# Altium PCB RFSoC-AMC.PcbDoc (part 4 of 12) (continued)
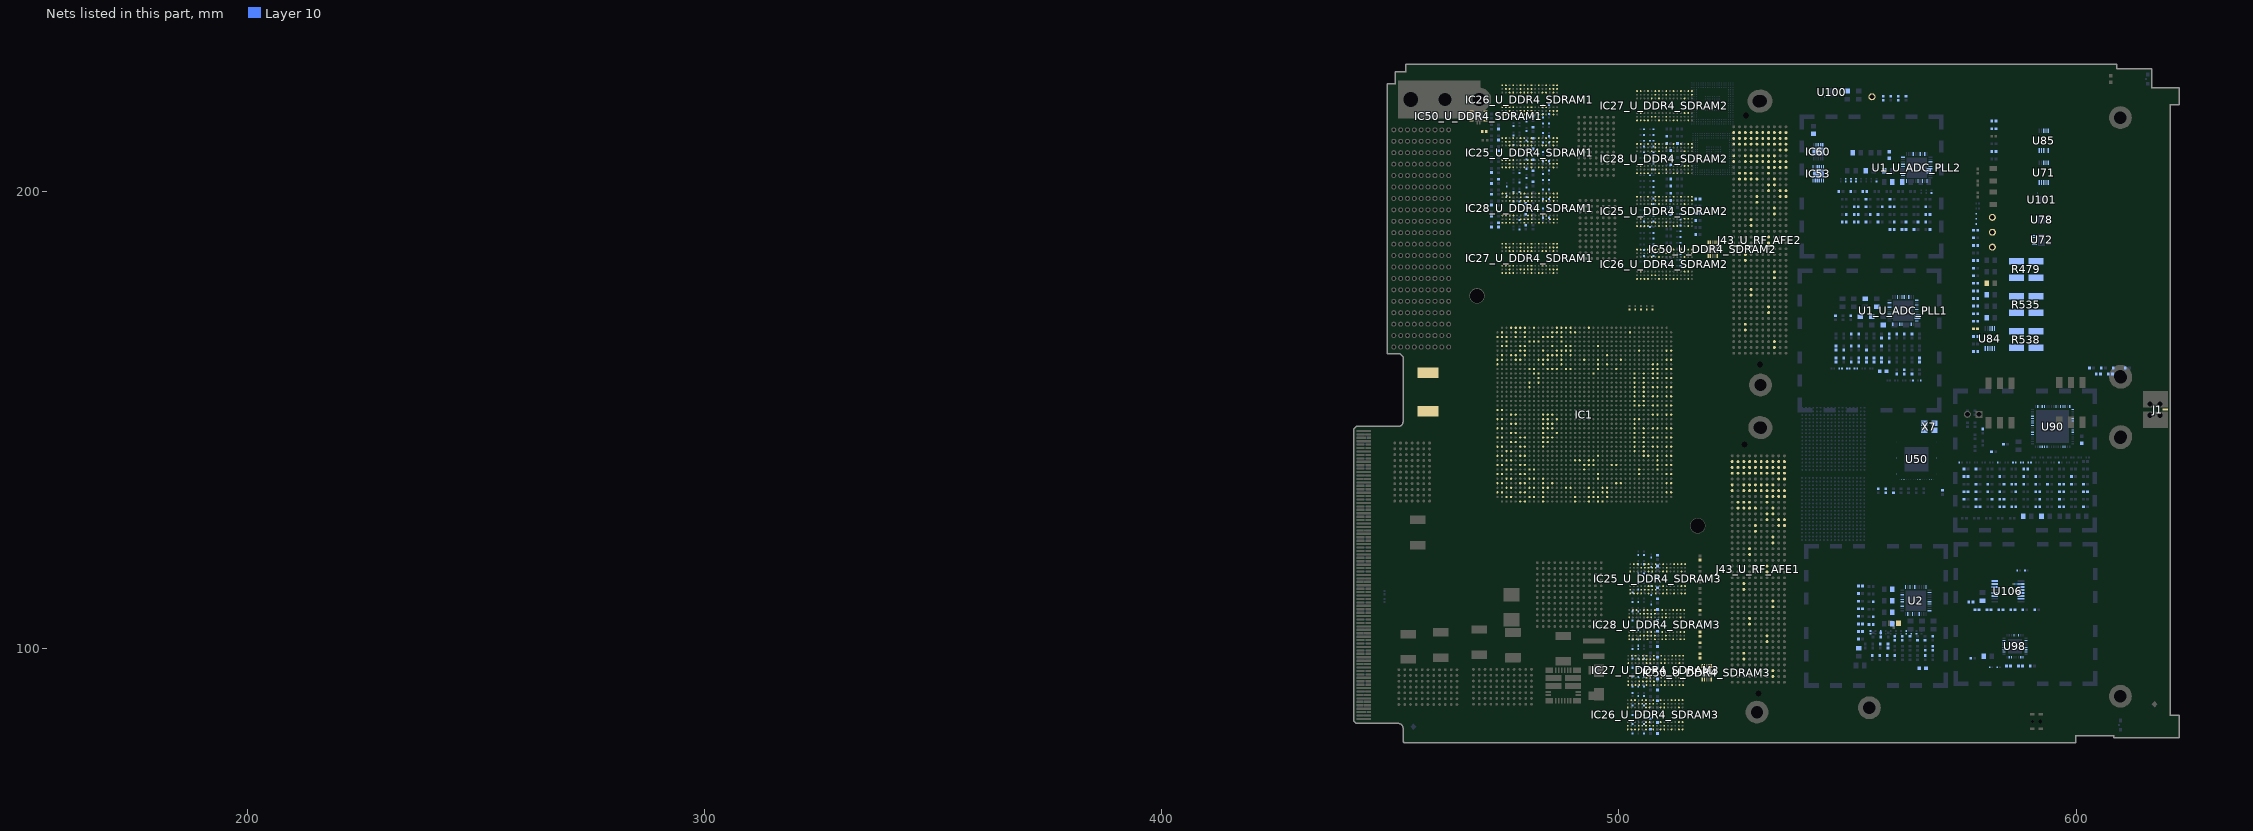
[diagram p12: the nets of this part, all layers, seen from the top]
## Part data (continued)
  R409: Barcode=200189, Datasheet=\\XSJ-SMB\AFX\AFX\BOARD_PROJECTS\LIBRARY\\DATASHEETS\RESISTOR\PANA_ERJ_1%.PDF, Device=475_0402, MANF=PANASONIC, MANF_P/N=ERJ-2RKF4750X, OWNER=14196, PRICE=0, primarykey=368
  R472 R474: Barcode=200336, Datasheet=\\XSJ-SMB\AFX\AFX\BOARD_PROJECTS\LIBRARY\\DATASHEETS\RESISTOR\PANA_ERJ_1%.PDF, Device=11_3K_0402, MANF=PANASONIC, MANF_P/N=ERJ-2RKF1132X, OWNER=6176, PRICE=0, primarykey=231
  R473 R475: Barcode=200431, Datasheet=\\XSJ-SMB\AFX\AFX\BOARD_PROJECTS\LIBRARY\\DATASHEETS\RESISTOR\PANA_ERJ_1%.PDF, Device=13_3K_0402, MANF=PANASONIC, MANF_P/N=ERJ-2RKF1332X, OWNER=3709, PRICE=0, primarykey=435
  R477 R478 R533 R534 R536 R537 R658: Barcode=200028, Datasheet=\\XSJ-SMB\AFX\AFX\BOARD_PROJECTS\LIBRARY\\DATASHEETS\RESISTOR\AOA0000PE2.PDF, Device=10_0402, MANF=PANASONIC, MANF_P/N=ERJ-2RKF10R0X, OWNER=10460, PRICE=0, primarykey=97
  R545 R565_U_ADC_PLL1 R565_U_ADC_PLL2 R652: Barcode=200344, Datasheet=\\XSJ-SMB\AFX\AFX\BOARD_PROJECTS\LIBRARY\\DATASHEETS\RESISTOR\PANA_ERJ_1%.PDF, Device=333_0402, MANF=PANASONIC, MANF_P/N=ERJ-2RKF3300X, OWNER=6176, PRICE=0.06, primarykey=351
  R560_U_ADC_PLL1 R560_U_ADC_PLL2 R582: Datasheet=\\XSJ-SMB\AFX\AFX\BOARD_PROJECTS\LIBRARY\\DATASHEETS\RESISTOR\PANA_ERJ_1%.PDF, Device=18_0402, MANF=PANASONIC, MANF_P/N=ERJ-2RKF18R0X, OWNER=3709, PRICE=0, primarykey=467
  R562_U_ADC_PLL1 R562_U_ADC_PLL2 R583: Barcode=200325, Datasheet=\\XSJ-SMB\AFX\AFX\BOARD_PROJECTS\LIBRARY\\DATASHEETS\RESISTOR\PANA_ERJ_1%.PDF, Device=68_1_0402, MANF=PANASONIC, MANF_P/N=ERJ-2RKF68R1X, OWNER=3709, PRICE=0, primarykey=221
  R563_U_ADC_PLL1 R563_U_ADC_PLL2 R584: Barcode=200025, Datasheet=\\XSJ-SMB\AFX\AFX\BOARD_PROJECTS\LIBRARY\\DATASHEETS\RESISTOR\AOA0000CE2.PDF, Device=10_0K_0402, MANF=PANASONIC, MANF_P/N=ERJ-2RKF1002X, OWNER=4001, PRICE=0, primarykey=1
  R621 R622 R636: Barcode=200113, Datasheet=\\XSJ-SMB\AFX\AFX\BOARD_PROJECTS\LIBRARY\\DATASHEETS\RESISTOR\PANA_ERJ_1%.PDF, Device=43_0_0402, MANF=PANASONIC, MANF_P/N=ERJ-2RKF43R0X, OWNER=3709, PRICE=0, primarykey=38
  R623 R624 R627 R628 R631 R632: Barcode=200046, Datasheet=\\XSJ-SMB\AFX\AFX\BOARD_PROJECTS\LIBRARY\\DATASHEETS\RESISTOR\PANA_ERJ_1%.PDF, Device=240_0402, MANF=PANASONIC-ECG, MANF_P/N=ERJ-2RKF2400X, OWNER=3670, PRICE=0, primarykey=103
  R644: Datasheet=\\XSJ-SMB\AFX\AFX\BOARD_PROJECTS\LIBRARY\\DATASHEETS\RESISTOR\PANA_ERJ_1%.PDF, Device=95_3_0402, MANF=PANASONIC, MANF_P/N=ERJ-2RKF95R3X, OWNER=3709, PRICE=0, primarykey=526
  R645 R646: Barcode=200328, Datasheet=\\XSJ-SMB\AFX\AFX\BOARD_PROJECTS\LIBRARY\\DATASHEETS\RESISTOR\PANA_ERJ_1%.PDF, Device=82_5_0402, MANF=PANASONIC, MANF_P/N=ERJ-2RKF82R5X, OWNER=3709, PRICE=0, primarykey=224
  R651: Barcode=200470, Datasheet=\\XSJ-SMB\AFX\AFX\BOARD_PROJECTS\LIBRARY\\DATASHEETS\RESISTOR\AOA0000PE3.PDF, Device=220K_0402, MANF=PANASONIC, MANF_P/N=ERJ-2RKF2203X, OWNER=3709, PRICE=0, primarykey=447
  R653: Barcode=200360, Datasheet=\\XSJ-SMB\AFX\AFX\BOARD_PROJECTS\LIBRARY\\DATASHEETS\RESISTOR\PANA_ERJ_1%.PDF, Device=17_8_0402, MANF=PANASONIC, MANF_P/N=ERJ-2RKF17R8X, OWNER=3709, PRICE=0, primarykey=210
  R655 R656: Barcode=200319, Datasheet=\\XSJ-SMB\AFX\AFX\BOARD_PROJECTS\LIBRARY\\DATASHEETS\RESISTOR\PANA_ERJ_1%.PDF, Device=270_0402, MANF=PANASONIC-ECG, MANF_P/N=ERJ-2RKF2700X, OWNER=6176, PRICE=0, primarykey=338
  R667: Barcode=200180, Datasheet=\\XSJ-SMB\AFX\AFX\BOARD_PROJECTS\LIBRARY\\DATASHEETS\RESISTOR\PANA_ERJ_1%.PDF, Device=2_61K_0402, MANF=PANASONIC, MANF_P/N=ERJ-2RKF2611X, OWNER=3709, PRICE=0, primarykey=113
  R669: Barcode=200293, Datasheet=\\XSJ-SMB\AFX\AFX\BOARD_PROJECTS\LIBRARY\\DATASHEETS\RESISTOR\PANA_ERJ_1%.PDF, Device=464_0402, MANF=PANASONIC, MANF_P/N=ERJ-2RKF4640X, OWNER=10460, PRICE=0, primarykey=237
R222_U_DDR4_SDRAM1 R222_U_DDR4_SDRAM2 R222_U_DDR4_SDRAM3 R223_U_DDR4_SDRAM1 R223_U_DDR4_SDRAM2 R223_U_DDR4_SDRAM3 R224_U_DDR4_SDRAM1 R224_U_DDR4_SDRAM2 R224_U_DDR4_SDRAM3 R225_U_DDR4_SDRAM1 R225_U_DDR4_SDRAM2 R225_U_DDR4_SDRAM3 R226_U_DDR4_SDRAM1 R226_U_DDR4_SDRAM2 R226_U_DDR4_SDRAM3 R227_U_DDR4_SDRAM1 R227_U_DDR4_SDRAM2 R227_U_DDR4_SDRAM3 R228_U_DDR4_SDRAM1 R228_U_DDR4_SDRAM2 R228_U_DDR4_SDRAM3 R229_U_DDR4_SDRAM1 R229_U_DDR4_SDRAM2 R229_U_DDR4_SDRAM3 R230_U_DDR4_SDRAM1 R230_U_DDR4_SDRAM2 R230_U_DDR4_SDRAM3 R231_U_DDR4_SDRAM1 R231_U_DDR4_SDRAM2 R231_U_DDR4_SDRAM3 R232_U_DDR4_SDRAM1 R232_U_DDR4_SDRAM2 R232_U_DDR4_SDRAM3 R233_U_DDR4_SDRAM1 R233_U_DDR4_SDRAM2 R233_U_DDR4_SDRAM3 R234_U_DDR4_SDRAM1 R234_U_DDR4_SDRAM2 R234_U_DDR4_SDRAM3 R235_U_DDR4_SDRAM1 R235_U_DDR4_SDRAM2 R235_U_DDR4_SDRAM3 R236_U_DDR4_SDRAM1 R236_U_DDR4_SDRAM2 R236_U_DDR4_SDRAM3 R237_U_DDR4_SDRAM1 R237_U_DDR4_SDRAM2 R237_U_DDR4_SDRAM3 R238_U_DDR4_SDRAM1 R238_U_DDR4_SDRAM2 R238_U_DDR4_SDRAM3 R239_U_DDR4_SDRAM1 R239_U_DDR4_SDRAM2 R239_U_DDR4_SDRAM3 R240_U_DDR4_SDRAM1 R240_U_DDR4_SDRAM2 R240_U_DDR4_SDRAM3 R241_U_DDR4_SDRAM1 R241_U_DDR4_SDRAM2 R241_U_DDR4_SDRAM3 R242_U_DDR4_SDRAM1 R242_U_DDR4_SDRAM2 R242_U_DDR4_SDRAM3 R243_U_DDR4_SDRAM1 R243_U_DDR4_SDRAM2 R243_U_DDR4_SDRAM3 R244_U_DDR4_SDRAM1 R244_U_DDR4_SDRAM2 R244_U_DDR4_SDRAM3 R245_U_DDR4_SDRAM1 R245_U_DDR4_SDRAM2 R245_U_DDR4_SDRAM3 R246_U_DDR4_SDRAM1 R246_U_DDR4_SDRAM2 R246_U_DDR4_SDRAM3: library part R0402_39R_1%_0.0625W_100PPM, "Resistor - 1%", Case=0402, Manufacturer=GENERIC, Manufacturer1 ComponentHeight=0.4mm, Manufacturer1 Example="YAGEO PHYCOMP", Manufacturer1 Part Number=232270673909L, Power=0.0625W, Tolerance=±1%, Author="CERN DEM JLC", Component Type=Standard, CreateDate=03/12/2007, HelpURL=\\cern.ch\dfs\Applications\Altium\Datasheets\R0402_Phycomp_RC0402.pdf, LatestRevisionDate=17/10/2012, Manufacturer Part Number=R0402_39R_1%_0.0625W_100PPM, Mounted=Yes, Part Description="General Purpose Thick Film Chip Resistor", Part Number=R0402_39R_1%_0.0625W_100PPM, Pin Count=2, PressFit=No, Sense=No, SMD=Yes, Socket=No, Status="Not Recommended", TC=±100ppm/°C
R300_U_DDR4_SDRAM1 R300_U_DDR4_SDRAM2 R300_U_DDR4_SDRAM3 R301_U_DDR4_SDRAM1 R301_U_DDR4_SDRAM2 R301_U_DDR4_SDRAM3 R559_U_DDR4_SDRAM1 R559_U_DDR4_SDRAM2 R559_U_DDR4_SDRAM3: library part R0402_10K_1%_0.0625W_100PPM, "Resistor - 1%", Case=0402, Manufacturer=GENERIC, Manufacturer1 ComponentHeight=0.4mm, Manufacturer1 Example="YAGEO PHYCOMP", Manufacturer1 Part Number=232270671003L, Power=0.0625W, Tolerance=±1%, Author="CERN DEM JLC", Component Type=Standard, CreateDate=03/12/2007, HelpURL=\\cern.ch\dfs\Applications\Altium\Datasheets\R0402_Phycomp_RC0402.pdf, LatestRevisionDate=17/10/2012, Manufacturer Part Number=R0402_10K_1%_0.0625W_100PPM, Mounted=Yes, Part Description="General Purpose Thick Film Chip Resistor", Part Number=R0402_10K_1%_0.0625W_100PPM, Pin Count=2, PressFit=No, Sense=No, SMD=Yes, Socket=No, Status="Not Recommended", TC=±100ppm/°C
R376 R378 R410 R650: library part RES, Power=1/16W, Tolerance=1%, PartType="SMT - 1%", RoHS=Yes
  R376 R378: Barcode=200067, Datasheet=\\XSJ-SMB\AFX\AFX\BOARD_PROJECTS\LIBRARY\\DATASHEETS\RESISTOR\PANA_ERJ_1%.PDF, Device=4_70K_0402, MANF=PANASONIC, MANF_P/N=ERJ-2RKF4701X, OWNER=3670, PRICE=0.01, primarykey=128
  R410 R650: Barcode=200098, Datasheet=\\XSJ-SMB\AFX\AFX\BOARD_PROJECTS\LIBRARY\\DATASHEETS\RESISTOR\MCR01.PDF, Device=1_00K_0402, MANF=ROHM, MANF_P/N=MCR01MZPF1001, OWNER=4001, PRICE=0, primarykey=7
R377 R564_U_ADC_PLL1 R564_U_ADC_PLL2 R585 R640 R641 R642 R643 R657 R660 R661: library part RES, Barcode=xinflo, Device=DNP_R_0402, MANF=DNP, MANF_P/N=DNP, OWNER=3709, PartType="SMT - DNP", Power=DNP, PRICE=0, primarykey=73, RoHS=Yes, Tolerance=DNP
R479 R535 R538: library part RES_OHMITE_LVK25, Power=2W, Tolerance=1%, Barcode=200097, Datasheet=\\XSJ-SMB\AFX\AFX\BOARD_PROJECTS\LIBRARY\\DATASHEETS\RESISTOR\lvk.pdf, Device=LVK25R005FER, MANF=OHMITE, MANF_P/N=LVK25R005FER, OWNER=3709, PartType="SMT -CURSNS", PRICE=0.89, primarykey=29, RoHS=Yes
U1_U_ADC_PLL1 U1_U_ADC_PLL2 U2: library part LMX2594, "IC PLL SYNTHESIZER RF W/VCO, 15GHz", Voltage=3.15-3.45V, Barcode=500603, Datasheet=\\XSJ-SMB\AFX\AFX\BOARD_PROJECTS\LIBRARY\DATASHEETS\IC\CLOCK\lmx2594.pdf, Family="CLOCK GENERATOR", MANF="TEXAS INSTRUMENTS", MANF_P/N=LMX2594RHAT, RoHS=Yes
U3 U4 U5: library part CMP-0492-02657-1, "Quad DC/DC uModule Regulator, 4 A, 4 to 14 V, -40 to 125 degC, 77-Pin BGA, RoHS, Tray", Manufacturer="Linear Technology", Operating Temperature Range="-40 to 125 degC", CLKIN="0.7 V Typ.", ComponentLink1Description="Manufacturer URL", ComponentLink1URL=http://www.linear.com/, ComponentLink2Description=Datasheet, ComponentLink2URL=http://cds.linear.com/docs/en/datasheet/4644fb.pdf, ComponentLink3Description="Package Specification", ComponentLink3URL=http://cds.linear.com/docs/en/packaging/05081900_D_bga77.pdf, DatasheetVersion="Rev. B", fOSC="1 MHz Typ.", IOUT(DC)="0 to 4 A", IS(VIN)="0.62 A Typ.", Mounting Technology="Surface Mount", PackageDescription="77-Pin Ball Grid Array, Body 15 x 9 mm, Pitch 1.27 mm", PackageVersion="Rev. D", Packing=Tray, PartNumber=LTM4644IY#PBF, RoHS=TRUE, VIN="4 to 14 V", VOUT(DC)="1.477 to 1.523 V", VRUN="1.1 to 1.3 V"
U50: "Custom ZCU102 LOW-JITTER, 10-OUTPUT, 350MHz Max", Tolerance=0PPM, Barcode=500436, Datasheet="\\XSJ-SMB\AFX\AFX\BOARD_PROJECTS\LIBRARY\DATASHEETS\CRYSTAL AND OSCILLATOR\SI5341_40_Rev9.pdf", Device=SI5341B, MANF=SILABS, MANF_P/N=Si5341B-D07833-GM, OWNER=3709, PartType=OSCILLATOR, PRICE=12.4, RoHS=Yes
U71 U84 U85: "CURRENT SHUNT MONITOR WITH I2C INTERFACE", Voltage=36V, Barcode=500247, Datasheet=\\XSJ-SMB\AFX\AFX\BOARD_PROJECTS\LIBRARY\DATASHEETS\IC\OPAMP\INA226.PDF, Family=OPAMP, MANF=TI, MANF_P/N=INA226AIDGS, RoHS=Yes
U72: "LDO REG 1.22V-20V ADJUSTABLE 500MA", Voltage=0V-36V, Barcode=500597, Datasheet=\\XSJ-SMB\AFX\AFX\BOARD_PROJECTS\LIBRARY\DATASHEETS\IC\REGULATOR\Infineon-IFX1763-DS-v01_01-EN.pdf, Family=REGULATOR, MANF=INFINEON, MANF_P/N=IFX1763LDVXUMA1, RoHS=Yes
U78 U101: "LDO Voltage Regulators SINGLE 2A ADJ VOUT", Voltage=5.5V-2.7V, Barcode=500600, Datasheet=\\XSJ-SMB\AFX\AFX\BOARD_PROJECTS\LIBRARY\DATASHEETS\IC\REGULATOR\isl80111-12-13-555077.pdf, Family=REGULATOR, MANF=INTERSIL, MANF_P/N=ISL80112IRAJZ, RoHS=Yes
U90: "JITTER CLEANER WITH DUAL LOOP PLLS", Voltage=3.15-3.45V, Barcode=500558, Datasheet=\\XSJ-SMB\AFX\AFX\BOARD_PROJECTS\LIBRARY\DATASHEETS\IC\CLOCK\lmk04208.pdf, Device=LMK04208, Family="JITTER CLEANER", MANF="TEXAS INSTRUMENTS", MANF_P/N=LMK04208NKDT, PKG_TYPE=WQFN_64_EP, RoHS=Yes
U91: library part VX-501, "OSC VCXO 122.88MHZ LVCMOS SMD", Tolerance=50PPM, Barcode=600072, Datasheet="\\XSJ-SMB\AFX\AFX\BOARD_PROJECTS\LIBRARY\DATASHEETS\CRYSTAL AND OSCILLATOR\VX-501-0251-122M88-1021981.pdf", Device=VX-501-0251-122M88, MANF=VECTRON, MANF_P/N=VX-501-0251-122M880000, OriginalSymbolOrigin=(0,40), OWNER=14716, PARTS=1, PartType=OSCILLATOR, PKG_TYPE=OSC_VECTRON_TX500, RoHS=Yes
U92: library part TX-503, "OSC TCXO 12.8MHZ HCMOS SMD", Tolerance=30PPB, Barcode=600071, Datasheet="\\XSJ-SMB\AFX\AFX\BOARD_PROJECTS\LIBRARY\DATASHEETS\CRYSTAL AND OSCILLATOR\TX-503.pdf", Device=TX-5030-EAE-3080-12.8MHz, MANF=VECTRON, MANF_P/N=TX-5030-EAE-3080-12M800000, OWNER=14716, PartType=OSCILLATOR, RoHS=Yes
U98: "IC CLK BUFFER 3:5 3.1GHZ", Voltage=3.15-3.45, Barcode=500601, Datasheet=\\XSJ-SMB\AFX\AFX\BOARD_PROJECTS\LIBRARY\DATASHEETS\IC\CLOCK\lmk00304.pdf, Family="CLOCK BUFFER", MANF=TI, MANF_P/N=LMK00304SQ/NOPB, RoHS=Yes
U100: library part ISL80102, "High Performance 3A LDO", Voltage=5.5V-2.7V, Barcode=500589, Datasheet=\\XSJ-SMB\AFX\AFX\BOARD_PROJECTS\LIBRARY\DATASHEETS\IC\REGULATOR\isl80102-03.pdf, Family=REGULATOR, MANF=INTERSIL, MANF_P/N=ISL80103IRAJZ, RoHS=Yes
U106: "IC CLK BUFFER 1:4 350MHZ", Voltage=1.425-3.465, Barcode=500602, Datasheet=\\XSJ-SMB\AFX\AFX\BOARD_PROJECTS\LIBRARY\DATASHEETS\IC\CLOCK\lmk00804b.pdf, Family="CLOCK BUFFER", MANF=TI, MANF_P/N=LMK00804BPW, RoHS=Yes
X7: library part FA-238A_XTAL, "CRYSTAL 48.00 MHZ SMT 8PF", Tolerance=30PPM, Barcode=600069, Datasheet="\\XSJ-SMB\AFX\AFX\BOARD_PROJECTS\LIBRARY\DATASHEETS\CRYSTAL AND OSCILLATOR\fa-238a_en.pdf", Device=48M_FA-238A_XTAL, MANF=EPSON, MANF_P/N="FA-238A 48.00M80YYYYG50RG", OWNER=3709, PartType=CRYSTAL, RoHS=YES
Z41 Z42 Z43: "SHORT 0201", Barcode=DNP, Datasheet=NA, Device=0201_SHORT, MANF=DNP, MANF_P/N=DNP, OWNER=3670, PartType="PCB LAYOUT", RoHS=0

## Via types
v1: diameter 0.61, hole 0.3, Layer 1 to Layer 10, 11 vias
v2: diameter 0.51, hole 0.25, Layer 1 to Layer 10, 3 vias
v3: diameter 0.48, hole 0.25, Layer 1 to Layer 10, 2 vias

## Nets (pads, with @x,y where several pads share a name; then routed paths per layer and width w, separated by ;. In a path a pad name is that pad's centre, name@x,y a point inside that pad or via, vN(x,y) a via of type N, cw(c..) or ccw(c..) an arc to the next point about the centre after c; other vN are vias at no path point)
ADC0_IN_N: IC1.AP1 J43_U_RF_AFE2.c2
ADC0_IN_P: IC1.AP2 J43_U_RF_AFE2.c3
ADC0_IN_U_RF_AFE1_N: IC1.AF1 J43_U_RF_AFE1.c2
ADC0_IN_U_RF_AFE1_P: IC1.AF2 J43_U_RF_AFE1.c3
ADC1_IN_N: IC1.AM1 J43_U_RF_AFE2.d8
ADC1_IN_P: IC1.AM2 J43_U_RF_AFE2.d9
ADC1_IN_U_RF_AFE1_N: IC1.AD1 J43_U_RF_AFE1.d8
ADC1_IN_U_RF_AFE1_P: IC1.AD2 J43_U_RF_AFE1.d9
ADC1_SYNC_N: 
ADC1_SYNC_P: 
ADC2_IN_N: IC1.AK1 J43_U_RF_AFE2.c14
ADC2_IN_P: IC1.AK2 J43_U_RF_AFE2.c15
ADC2_IN_U_RF_AFE1_N: IC1.AB1 J43_U_RF_AFE1.c14
ADC2_IN_U_RF_AFE1_P: IC1.AB2 J43_U_RF_AFE1.c15
ADC2_SYNC_N: 
ADC2_SYNC_P: 
ADC3_IN_N: IC1.AH1 J43_U_RF_AFE2.d20
ADC3_IN_P: IC1.AH2 J43_U_RF_AFE2.d21
ADC3_IN_U_RF_AFE1_N: IC1.Y1 J43_U_RF_AFE1.d20
ADC3_IN_U_RF_AFE1_P: IC1.Y2 J43_U_RF_AFE1.d21
ADC_AVCC: IC1.AB9 IC1.AC9 IC1.AD9 IC1.AE9 IC1.AF9 IC1.AG9 IC1.AH9 IC1.AJ9 J82.1 R538.I1 Z43.1
ADC_AVCC_BUS: C574.1 R538.I2 U101.1 U101.2
ADC_AVCC_PGOOD: U101.6
ADC_AVCC_VIN_R_N: R537.2 R538.V1
ADC_AVCC_VIN_R_P: R536.2 R538.V2
ADC_AVCCAUX: IC1.AB7 IC1.AC7 IC1.AD7 IC1.AE7 IC1.AF7 IC1.AG7 IC1.AH7 IC1.AJ7
AMS_CLK_VCC3V3: C634_U_ADC_PLL1.1 C634_U_ADC_PLL2.1 C641_U_ADC_PLL1.1 C641_U_ADC_PLL2.1 C668.1 C676.1 C751.1 C821.1 C827.1 C828.2 C953.1 C954.1 C955.1 C960_U_ADC_PLL1.1 C960_U_ADC_PLL2.1 C961_U_ADC_PLL1.1 C961_U_ADC_PLL2.1 C964.1 C981.1 C983.1 C985.1 C987.1 J63.1 L43_U_ADC_PLL1.1 L43_U_ADC_PLL2.1 L44_U_ADC_PLL1.1 L44_U_ADC_PLL2.1 L52.1 L55.1 L58.1 L65.1 L68.1 L70.1 L73.1 R667.2 U100.1 U100.2
AMS_CLK_VCC3V3_PGOOD: U100.4
CAL_ADC_CH1_U_RF_AFE1: J43_U_RF_AFE1.g32
CAL_ADC_CH1_U_RF_AFE2: J43_U_RF_AFE2.g32
CAL_ADC_CH2_U_RF_AFE1: J43_U_RF_AFE1.h32
CAL_ADC_CH2_U_RF_AFE2: J43_U_RF_AFE2.h32
CAL_ADC_CH3_U_RF_AFE1: J43_U_RF_AFE1.j32
CAL_ADC_CH3_U_RF_AFE2: J43_U_RF_AFE2.j32
CAL_ADC_CH4_U_RF_AFE1: J43_U_RF_AFE1.f31
CAL_ADC_CH4_U_RF_AFE2: J43_U_RF_AFE2.f31
CAL_ADC_CH5_U_RF_AFE1: J43_U_RF_AFE1.g31
CAL_ADC_CH5_U_RF_AFE2: J43_U_RF_AFE2.g31
CAL_ADC_CH6_U_RF_AFE1: J43_U_RF_AFE1.h31
CAL_ADC_CH6_U_RF_AFE2: J43_U_RF_AFE2.h31
CAL_ADC_CH7_U_RF_AFE1: J43_U_RF_AFE1.j31
CAL_ADC_CH7_U_RF_AFE2: J43_U_RF_AFE2.j31
CE_2594A_U_ADC_PLL1: R563_U_ADC_PLL1.2 R564_U_ADC_PLL1.2 U1_U_ADC_PLL1.1
CE_2594A_U_ADC_PLL2: R563_U_ADC_PLL2.2 R564_U_ADC_PLL2.2 U1_U_ADC_PLL2.1
CE_2594C: R584.2 R585.2 U2.1
CLK_4208_IN0_CMOS: C784.2 U90.28
CLK_4208_IN0_M: C759.2 U90.29
CLK_4208_IN1_CMOS: C781.2 U90.25
CLK_4208_IN1_M: C762.2 U90.26
CLK_4208_OUT0_N: C731.1 R624.1 U90.3
CLK_4208_OUT0_P: C730.1 R623.1 U90.4
CLK_4208_OUT1_N: C743.1 R628.1 U90.14
CLK_4208_OUT1_P: C742.1 R627.1 U90.13
CLK_4208_OUT2_N: C747.1 R632.1 U90.21
CLK_4208_OUT2_P: C746.1 R631.1 U90.22
CLK_4208_OUT3_N: R366.2 U90.49 U106.6
CLK_4208_OUT3_P: R366.1 U90.48 U106.5
CLK_4208_OUT4_N: R637.2 U90.54 U98.15
CLK_4208_OUT4_P: R637.1 U90.53 U98.14
CLK_4208_OUT5: R635.1 U90.58
CLK_4208_OUT5_ATT: C761.1 R635.2 R640.1
CLK_4208_OUT5_C: C761.2 R641.1
CLK_4208_OUT5_M: C768.1 R642.1 U90.59
CLK_IN1: C780.1 J1.1 R654.1
CLK_IN1_AC: C780.2 R653.1 R655.1
CLK_IN1_ATT: C781.1 R653.2 R656.1 R657.1
DAC0_OUT_N: IC1.U1 J43_U_RF_AFE2.h5
DAC0_OUT_P: IC1.U2 J43_U_RF_AFE2.h6
DAC0_OUT_U_RF_AFE1_N: IC1.J1 J43_U_RF_AFE1.h5
DAC0_OUT_U_RF_AFE1_P: IC1.J2 J43_U_RF_AFE1.h6
DAC1_OUT_N: IC1.R1 J43_U_RF_AFE2.g11
DAC1_OUT_P: IC1.R2 J43_U_RF_AFE2.g12
DAC1_OUT_U_RF_AFE1_N: IC1.G1 J43_U_RF_AFE1.g11
DAC1_OUT_U_RF_AFE1_P: IC1.G2 J43_U_RF_AFE1.g12
DAC2_OUT_N: IC1.N1 J43_U_RF_AFE2.h17
DAC2_OUT_P: IC1.N2 J43_U_RF_AFE2.h18
DAC2_OUT_U_RF_AFE1_N: IC1.E1 J43_U_RF_AFE1.h17
DAC2_OUT_U_RF_AFE1_P: IC1.E2 J43_U_RF_AFE1.h18
DAC3_OUT_N: IC1.L1 J43_U_RF_AFE2.g23
DAC3_OUT_P: IC1.L2 J43_U_RF_AFE2.g24
DAC3_OUT_U_RF_AFE1_N: IC1.C1 J43_U_RF_AFE1.g23
DAC3_OUT_U_RF_AFE1_P: IC1.C2 J43_U_RF_AFE1.g24
DAC_AVCC: IC1.M9 IC1.N9 IC1.P9 IC1.R9 IC1.T9 IC1.U9 IC1.V9 IC1.W9 J88.1 R535.I1 Z42.1
DAC_AVCC_BUS: C570.1 R535.I2 U78.1 U78.2
DAC_AVCC_PGOOD: U78.6
DAC_AVCC_VIN_R_N: R534.2 R535.V1
DAC_AVCC_VIN_R_P: R533.2 R535.V2
DAC_AVCCAUX: IC1.L6 IC1.L7 IC1.M7 IC1.N7 IC1.P7 IC1.R7 IC1.T7 IC1.U7 J11.1 R479.I1 Z41.1
DAC_AVCCAUX_BUS: C456.2 C457.1 R479.I2 U72.1 U72.2
DAC_AVCCAUX_VIN_R_N: R478.2 R479.V1
DAC_AVCCAUX_VIN_R_P: R477.2 R479.V2
DAC_AVTT: IC1.H4 IC1.J4 IC1.K4 IC1.L4
DDR4_A0: IC1.AK17 IC25_U_DDR4_SDRAM2.P3 IC26_U_DDR4_SDRAM2.P3 IC27_U_DDR4_SDRAM2.P3 IC28_U_DDR4_SDRAM2.P3 R222_U_DDR4_SDRAM2.2
DDR4_A1: IC1.AL15 IC25_U_DDR4_SDRAM2.P7 IC26_U_DDR4_SDRAM2.P7 IC27_U_DDR4_SDRAM2.P7 IC28_U_DDR4_SDRAM2.P7 R223_U_DDR4_SDRAM2.2
DDR4_A2: IC1.AN15 IC25_U_DDR4_SDRAM2.R3 IC26_U_DDR4_SDRAM2.R3 IC27_U_DDR4_SDRAM2.R3 IC28_U_DDR4_SDRAM2.R3 R224_U_DDR4_SDRAM2.2
DDR4_A3: IC1.AU29 IC25_U_DDR4_SDRAM1.N7 IC26_U_DDR4_SDRAM1.N7 IC27_U_DDR4_SDRAM1.N7 IC28_U_DDR4_SDRAM1.N7 R225_U_DDR4_SDRAM1.2
DDR4_A4: IC1.AW31 IC25_U_DDR4_SDRAM1.N3 IC26_U_DDR4_SDRAM1.N3 IC27_U_DDR4_SDRAM1.N3 IC28_U_DDR4_SDRAM1.N3 R226_U_DDR4_SDRAM1.2
DDR4_A5: IC1.AU28 IC25_U_DDR4_SDRAM1.P8 IC26_U_DDR4_SDRAM1.P8 IC27_U_DDR4_SDRAM1.P8 IC28_U_DDR4_SDRAM1.P8 R227_U_DDR4_SDRAM1.2
DDR4_A6: IC1.AL29 IC25_U_DDR4_SDRAM1.P2 IC26_U_DDR4_SDRAM1.P2 IC27_U_DDR4_SDRAM1.P2 IC28_U_DDR4_SDRAM1.P2 R228_U_DDR4_SDRAM1.2
DDR4_A7: IC1.AM30 IC25_U_DDR4_SDRAM1.R8 IC26_U_DDR4_SDRAM1.R8 IC27_U_DDR4_SDRAM1.R8 IC28_U_DDR4_SDRAM1.R8 R229_U_DDR4_SDRAM1.2
DDR4_A8: IC1.AM29 IC25_U_DDR4_SDRAM1.R2 IC26_U_DDR4_SDRAM1.R2 IC27_U_DDR4_SDRAM1.R2 IC28_U_DDR4_SDRAM1.R2 R230_U_DDR4_SDRAM1.2
DDR4_A9: IC1.AP29 IC25_U_DDR4_SDRAM1.R7 IC26_U_DDR4_SDRAM1.R7 IC27_U_DDR4_SDRAM1.R7 IC28_U_DDR4_SDRAM1.R7 R231_U_DDR4_SDRAM1.2
DDR4_A10: IC1.AT31 IC25_U_DDR4_SDRAM1.M3 IC26_U_DDR4_SDRAM1.M3 IC27_U_DDR4_SDRAM1.M3 IC28_U_DDR4_SDRAM1.M3 R232_U_DDR4_SDRAM1.2
DDR4_A11: IC1.AT32 IC25_U_DDR4_SDRAM1.T2 IC26_U_DDR4_SDRAM1.T2 IC27_U_DDR4_SDRAM1.T2 IC28_U_DDR4_SDRAM1.T2 R233_U_DDR4_SDRAM1.2
DDR4_A12: IC1.AT30 IC25_U_DDR4_SDRAM1.M7 IC26_U_DDR4_SDRAM1.M7 IC27_U_DDR4_SDRAM1.M7 IC28_U_DDR4_SDRAM1.M7 R234_U_DDR4_SDRAM1.2
DDR4_A13: IC1.L17
DDR4_A13_U_DDR4_SDRAM1: IC25_U_DDR4_SDRAM1.T8 IC26_U_DDR4_SDRAM1.T8 IC27_U_DDR4_SDRAM1.T8 IC28_U_DDR4_SDRAM1.T8 R235_U_DDR4_SDRAM1.2
DDR4_A13_U_DDR4_SDRAM2: IC25_U_DDR4_SDRAM2.T8 IC26_U_DDR4_SDRAM2.T8 IC27_U_DDR4_SDRAM2.T8 IC28_U_DDR4_SDRAM2.T8 R235_U_DDR4_SDRAM2.2
DDR4_A13_U_DDR4_SDRAM3: IC25_U_DDR4_SDRAM3.T8 IC26_U_DDR4_SDRAM3.T8 IC27_U_DDR4_SDRAM3.T8 IC28_U_DDR4_SDRAM3.T8 R235_U_DDR4_SDRAM3.2
DDR4_A14_WE_B: IC1.B17 IC25_U_DDR4_SDRAM3.L2 IC26_U_DDR4_SDRAM3.L2 IC27_U_DDR4_SDRAM3.L2 IC28_U_DDR4_SDRAM3.L2 R236_U_DDR4_SDRAM3.2
DDR4_A15_CAS_B: IC1.D15 IC25_U_DDR4_SDRAM3.M8 IC26_U_DDR4_SDRAM3.M8 IC27_U_DDR4_SDRAM3.M8 IC28_U_DDR4_SDRAM3.M8 R237_U_DDR4_SDRAM3.2
DDR4_A16_RAS_B: IC1.C18 IC25_U_DDR4_SDRAM3.L8 IC26_U_DDR4_SDRAM3.L8 IC27_U_DDR4_SDRAM3.L8 IC28_U_DDR4_SDRAM3.L8 R238_U_DDR4_SDRAM3.2
DDR4_ACT_B: IC1.A19 IC25_U_DDR4_SDRAM3.L3 IC26_U_DDR4_SDRAM3.L3 IC27_U_DDR4_SDRAM3.L3 IC28_U_DDR4_SDRAM3.L3 R243_U_DDR4_SDRAM3.2
DDR4_ALERT_B: IC1.B18 IC25_U_DDR4_SDRAM3.P9 IC26_U_DDR4_SDRAM3.P9 IC27_U_DDR4_SDRAM3.P9 IC28_U_DDR4_SDRAM3.P9
DDR4_BA0: IC1.K18 IC25_U_DDR4_SDRAM3.N2 IC26_U_DDR4_SDRAM3.N2 IC27_U_DDR4_SDRAM3.N2 IC28_U_DDR4_SDRAM3.N2 R239_U_DDR4_SDRAM3.2
DDR4_BA1: IC1.K19 IC25_U_DDR4_SDRAM3.N8 IC26_U_DDR4_SDRAM3.N8 IC27_U_DDR4_SDRAM3.N8 IC28_U_DDR4_SDRAM3.N8 R240_U_DDR4_SDRAM3.2
DDR4_BG0: IC1.C16 IC25_U_DDR4_SDRAM3.M2 IC26_U_DDR4_SDRAM3.M2 IC27_U_DDR4_SDRAM3.M2 IC28_U_DDR4_SDRAM3.M2 R241_U_DDR4_SDRAM3.2
DDR4_CK_C: IC1.F17 IC25_U_DDR4_SDRAM3.K8 IC26_U_DDR4_SDRAM3.K8 IC27_U_DDR4_SDRAM3.K8 IC28_U_DDR4_SDRAM3.K8
DDR4_CK_T: IC1.G17 IC25_U_DDR4_SDRAM3.K7 IC26_U_DDR4_SDRAM3.K7 IC27_U_DDR4_SDRAM3.K7 IC28_U_DDR4_SDRAM3.K7
DDR4_CKE: IC1.A16 IC25_U_DDR4_SDRAM3.K2 IC26_U_DDR4_SDRAM3.K2 IC27_U_DDR4_SDRAM3.K2 IC28_U_DDR4_SDRAM3.K2 R242_U_DDR4_SDRAM3.2
DDR4_CS_B: IC1.D16 IC25_U_DDR4_SDRAM3.L7 IC26_U_DDR4_SDRAM3.L7 IC27_U_DDR4_SDRAM3.L7 IC28_U_DDR4_SDRAM3.L7 R244_U_DDR4_SDRAM3.2
DDR4_DM0: IC1.AP8 IC25_U_DDR4_SDRAM2.E7
DDR4_DM1: IC1.AK13 IC25_U_DDR4_SDRAM2.E2
DDR4_DM2: IC1.AM12 IC26_U_DDR4_SDRAM2.E7
DDR4_DM3: IC1.AV10 IC26_U_DDR4_SDRAM2.E2
DDR4_DM4: IC1.AJ18 IC27_U_DDR4_SDRAM2.E7
DDR4_DM5: IC1.AM20 IC27_U_DDR4_SDRAM2.E2
DDR4_DM6: IC1.AR17 IC28_U_DDR4_SDRAM2.E7
DDR4_DM7: IC1.AW19 IC28_U_DDR4_SDRAM2.E2
DDR4_DM8: IC1.AR38
DDR4_DQ0: IC1.AW25 IC25_U_DDR4_SDRAM1.G2
DDR4_DQ1: IC1.AW24 IC25_U_DDR4_SDRAM1.F7
DDR4_DQ2: IC1.AV25 IC25_U_DDR4_SDRAM1.H3
DDR4_DQ3: IC1.AW23 IC25_U_DDR4_SDRAM1.H7
DDR4_DQ4: IC1.AV23 IC25_U_DDR4_SDRAM1.H2
DDR4_DQ5: IC1.AV22 IC25_U_DDR4_SDRAM1.H8
DDR4_DQ6: IC1.AR24 IC25_U_DDR4_SDRAM1.J3
DDR4_DQ7: IC1.AR23 IC25_U_DDR4_SDRAM1.J7
DDR4_DQ8: IC1.AT25 IC25_U_DDR4_SDRAM1.A3
DDR4_DQ9: IC1.AP26 IC25_U_DDR4_SDRAM1.B8
DDR4_DQ10: IC1.AU25 IC25_U_DDR4_SDRAM1.C3
DDR4_DQ11: IC1.AR27 IC25_U_DDR4_SDRAM1.C7
DDR4_DQ12: IC1.AU27 IC25_U_DDR4_SDRAM1.C2
DDR4_DQ13: IC1.AV26 IC25_U_DDR4_SDRAM1.C8
DDR4_DQ14: IC1.AV27 IC25_U_DDR4_SDRAM1.D3
DDR4_DQ15: IC1.AW26 IC25_U_DDR4_SDRAM1.D7
DDR4_DQ16: IC1.AP25 IC26_U_DDR4_SDRAM1.G2
DDR4_DQ17: IC1.AP24 IC26_U_DDR4_SDRAM1.F7
DDR4_DQ18: IC1.AP23 IC26_U_DDR4_SDRAM1.H3
DDR4_DQ19: IC1.AN25 IC26_U_DDR4_SDRAM1.H7
DDR4_DQ20: IC1.AM25 IC26_U_DDR4_SDRAM1.H2
DDR4_DQ21: IC1.AK24 IC26_U_DDR4_SDRAM1.H8
DDR4_DQ22: IC1.AN23 IC26_U_DDR4_SDRAM1.J3
DDR4_DQ23: IC1.AK23 IC26_U_DDR4_SDRAM1.J7
DDR4_DQ24: IC1.AK26 IC26_U_DDR4_SDRAM1.A3
DDR4_DQ25: IC1.AL25 IC26_U_DDR4_SDRAM1.B8
DDR4_DQ26: IC1.AK28 IC26_U_DDR4_SDRAM1.C3
DDR4_DQ27: IC1.AK27 IC26_U_DDR4_SDRAM1.C7
DDR4_DQ28: IC1.AN27 IC26_U_DDR4_SDRAM1.C2
DDR4_DQ29: IC1.AN26 IC26_U_DDR4_SDRAM1.C8
DDR4_DQ30: IC1.AN28 IC26_U_DDR4_SDRAM1.D3
DDR4_DQ31: IC1.AM28 IC26_U_DDR4_SDRAM1.D7
DDR4_DQ32: IC1.AU39 IC27_U_DDR4_SDRAM1.G2
DDR4_DQ33: IC1.AU38 IC27_U_DDR4_SDRAM1.F7
DDR4_DQ34: IC1.AU37 IC27_U_DDR4_SDRAM1.H3
DDR4_DQ35: IC1.AU35 IC27_U_DDR4_SDRAM1.H7
DDR4_DQ36: IC1.AV38 IC27_U_DDR4_SDRAM1.H2
DDR4_DQ37: IC1.AW36 IC27_U_DDR4_SDRAM1.H8
DDR4_DQ38: IC1.AV35 IC27_U_DDR4_SDRAM1.J3
DDR4_DQ39: IC1.AW35 IC27_U_DDR4_SDRAM1.J7
DDR4_DQ40: IC1.AU33 IC27_U_DDR4_SDRAM1.A3
DDR4_DQ41: IC1.AV33 IC27_U_DDR4_SDRAM1.B8
DDR4_DQ42: IC1.AW34 IC27_U_DDR4_SDRAM1.C3
DDR4_DQ43: IC1.AW33 IC27_U_DDR4_SDRAM1.C7
DDR4_DQ44: IC1.AR34 IC27_U_DDR4_SDRAM1.C2
DDR4_DQ45: IC1.AR33 IC27_U_DDR4_SDRAM1.C8
DDR4_DQ46: IC1.AP33 IC27_U_DDR4_SDRAM1.D3
DDR4_DQ47: IC1.AP34 IC27_U_DDR4_SDRAM1.D7
DDR4_DQ48: IC1.AL39 IC28_U_DDR4_SDRAM1.G2
DDR4_DQ49: IC1.AM38 IC28_U_DDR4_SDRAM1.F7
DDR4_DQ50: IC1.AM39 IC28_U_DDR4_SDRAM1.H3
DDR4_DQ51: IC1.AN38 IC28_U_DDR4_SDRAM1.H7
DDR4_DQ52: IC1.AM35 IC28_U_DDR4_SDRAM1.H2
DDR4_DQ53: IC1.AM34 IC28_U_DDR4_SDRAM1.H8
DDR4_DQ54: IC1.AN36 IC28_U_DDR4_SDRAM1.J3
DDR4_DQ55: IC1.AN35 IC28_U_DDR4_SDRAM1.J7
DDR4_DQ56: IC1.AK32 IC28_U_DDR4_SDRAM1.A3
DDR4_DQ57: IC1.AK31 IC28_U_DDR4_SDRAM1.B8
DDR4_DQ58: IC1.AJ31 IC28_U_DDR4_SDRAM1.C3
DDR4_DQ59: IC1.AJ30 IC28_U_DDR4_SDRAM1.C7
DDR4_DQ60: IC1.AH30 IC28_U_DDR4_SDRAM1.C2
DDR4_DQ61: IC1.AG32 IC28_U_DDR4_SDRAM1.C8
DDR4_DQ62: IC1.AF32 IC28_U_DDR4_SDRAM1.D3
DDR4_DQ63: IC1.AG30 IC28_U_DDR4_SDRAM1.D7
DDR4_DQS0_C: IC1.E12 IC25_U_DDR4_SDRAM3.F3
DDR4_DQS0_T: IC1.E13 IC25_U_DDR4_SDRAM3.G3
DDR4_DQS1_C: IC1.B15 IC25_U_DDR4_SDRAM3.A7
DDR4_DQS1_T: IC1.C15 IC25_U_DDR4_SDRAM3.B7
DDR4_DQS2_C: IC1.J13 IC26_U_DDR4_SDRAM3.F3
DDR4_DQS2_T: IC1.J14 IC26_U_DDR4_SDRAM3.G3
DDR4_DQS3_C: IC1.G8 IC26_U_DDR4_SDRAM3.A7
DDR4_DQS3_T: IC1.H8 IC26_U_DDR4_SDRAM3.B7
DDR4_DQS4_C: IC1.A22 IC27_U_DDR4_SDRAM3.F3
DDR4_DQS4_T: IC1.B22 IC27_U_DDR4_SDRAM3.G3
DDR4_DQS5_C: IC1.D24 IC27_U_DDR4_SDRAM3.A7
DDR4_DQS5_T: IC1.D23 IC27_U_DDR4_SDRAM3.B7
DDR4_DQS6_C: IC1.H20 IC28_U_DDR4_SDRAM3.F3
DDR4_DQS6_T: IC1.J20 IC28_U_DDR4_SDRAM3.G3
DDR4_DQS7_C: IC1.K22 IC28_U_DDR4_SDRAM3.A7
DDR4_DQS7_T: IC1.K21 IC28_U_DDR4_SDRAM3.B7
DDR4_DQS8_C: IC1.AR37
DDR4_DQS8_T: IC1.AT37
DDR4_ODT: IC1.B19 IC25_U_DDR4_SDRAM3.K3 IC26_U_DDR4_SDRAM3.K3 IC27_U_DDR4_SDRAM3.K3 IC28_U_DDR4_SDRAM3.K3 R245_U_DDR4_SDRAM3.2
DDR4_PAR: IC1.D19 IC25_U_DDR4_SDRAM3.T3 IC26_U_DDR4_SDRAM3.T3 IC27_U_DDR4_SDRAM3.T3 IC28_U_DDR4_SDRAM3.T3 R246_U_DDR4_SDRAM3.2
DDR4_RESET_B: IC1.A17 IC25_U_DDR4_SDRAM3.P1 IC26_U_DDR4_SDRAM3.P1 IC27_U_DDR4_SDRAM3.P1 IC28_U_DDR4_SDRAM3.P1
DDR4_TEN: 
DDR4_TEN_U_DDR4_SDRAM1: IC25_U_DDR4_SDRAM1.N9 IC26_U_DDR4_SDRAM1.N9 IC27_U_DDR4_SDRAM1.N9 IC28_U_DDR4_SDRAM1.N9
DDR4_TEN_U_DDR4_SDRAM2: IC25_U_DDR4_SDRAM2.N9 IC26_U_DDR4_SDRAM2.N9 IC27_U_DDR4_SDRAM2.N9 IC28_U_DDR4_SDRAM2.N9
DDR4_TEN_U_DDR4_SDRAM3: IC25_U_DDR4_SDRAM3.N9 IC26_U_DDR4_SDRAM3.N9 IC27_U_DDR4_SDRAM3.N9 IC28_U_DDR4_SDRAM3.N9
DDR4_VREFA_U_DDR4_SDRAM1: C158_U_DDR4_SDRAM1.1 IC25_U_DDR4_SDRAM1.M1